# Altium PCB PCB1.PcbDoc (part 2 of 2)
Units mm, origin at the board's own origin, x right, y up, seen from the top; angles counter-clockwise.
Board outline 278.89 x 36.25 mm, 4 copper layers (SIG+GND TOP, SIG+PWR MID, GND3, SIG BOT), stack 1.589 mm thick; 63 components, 67 nets, 491 pads, 299 vias.
Unrouted connection lines stored in the file: 84.
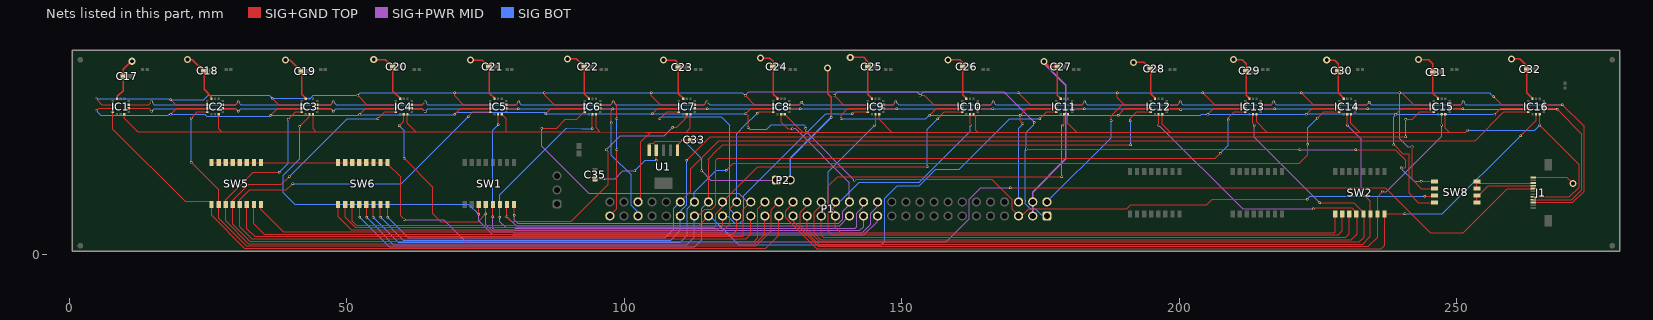
[diagram p4: the nets of this part, all layers, seen from the top]

## Via types
v1: diameter 0.45, hole 0.3, SIG+GND TOP to SIG BOT, 222 vias
v2: diameter 1.27, hole 0.711, SIG+GND TOP to SIG BOT, 71 vias
v3: diameter 3.2, hole 3.2, SIG+GND TOP to SIG BOT, 4 vias
v4: diameter 0.7, hole 0.3, SIG+GND TOP to SIG BOT, 2 vias

## Nets (pads, with @x,y where several pads share a name; then routed paths per layer and width w, separated by ;. In a path a pad name is that pad's centre, name@x,y a point inside that pad or via, vN(x,y) a via of type N, cw(c..) or ccw(c..) an arc to the next point about the centre after c; other vN are vias at no path point) (continued)
INT1_3: IC3.6 P1.25 SW1.3 | length 130.7
  SIG+GND TOP w0.155: v1(41.529,22.987) 43.277,24.735 IC3.6@43.277,25.156 ; v1(73.787,7.144) SW1.3@73.787,8.905
  SIG+PWR MID w0.155: v1(73.787,7.144) 73.787,6.018 76.234,3.571 79.713,3.571 79.845,3.439 143.175,3.439 145.573,5.838 145.573,6.772 P1.25@145.659,6.858
  SIG BOT w0.155: v1(41.529,22.987) 41.529,17.145 38.576,14.192 38.576,11.081 40.64,9.017 71.882,9.017 73.755,7.144 v1(73.787,7.144)
INT1_4: IC4.6 P1.26 SW1.4 | length 110.2
  SIG+GND TOP w0.155: v1(59.436,23.114) 60.277,23.955 IC4.6@60.277,25.156 ; v1(60.325,17.272) 65.532,12.065 65.532,7.239 66.929,5.842 73.66,5.842 v1(75.057,7.239) SW1.4@75.057,8.905
  SIG+PWR MID w0.155: v1(75.057,7.239) 75.057,5.326 76.403,3.98 79.883,3.98 80.014,3.848 142.914,3.848 144.399,5.333 144.399,7.366 145.464,8.431 145.464,9.203 P1.26@145.659,9.398
  SIG BOT w0.155: v1(59.436,23.114) 60.325,22.225 v1(60.325,17.272)
INT1_5: IC5.6 P1.27 SW1.5 | length 92.3
  SIG+GND TOP w0.155: v1(76.327,6.731) SW1.5@76.327,8.905 ; IC5.6@77.277,25.156 77.311,25.122 v1(77.311,23.302)
  SIG+PWR MID w0.155: v1(76.327,6.731) 76.327,4.635 76.573,4.389 80.052,4.389 80.184,4.257 142.433,4.257 143.119,4.943 P1.27@143.119,6.858
  SIG BOT w0.155: v1(76.327,6.731) 76.327,22.318 v1(77.311,23.302)
INT1_6: IC6.6 P1.28 SW1.6 | length 101.1
  SIG+GND TOP w0.155: v1(77.597,6.604) SW1.6@77.597,8.905 ; v1(94.234,22.608) 94.231,22.61 94.231,25.11 IC6.6@94.277,25.156
  SIG+PWR MID w0.155: v1(77.597,6.604) 77.597,5.855 78.654,4.798 80.222,4.798 80.353,4.666 141.581,4.666 141.859,4.945 141.859,7.366 142.947,8.454 142.947,9.226 P1.28@143.119,9.398
  SIG BOT w0.155: v1(77.597,6.604) 77.597,10.668 89.571,22.642 89.622,22.642 92.341,22.606 94.232,22.606 v1(94.234,22.608)
INT1_7: IC7.6 P1.29 SW1.7 | length 110.5
  SIG+GND TOP w0.155: SW1.7@78.867,8.905 78.867,8.674 v1(78.867,6.731) 79.705,5.893 90.475,5.893 97.155,12.573 97.155,18.44 v1(96.787,18.809) ; v1(108.712,22.86) 109.474,22.86 111.277,24.663 IC7.6@111.277,25.156
  SIG+PWR MID w0.155: v1(78.867,6.731) 80.523,5.075 138.796,5.075 P1.29@140.579,6.858 ; v1(96.787,18.809) 99.314,21.336 107.198,21.336 108.712,22.85 v1(108.712,22.86)
INT1_8: IC8.6 P1.30 SW1.8 | length 87.8
  SIG+GND TOP w0.155: SW1.8@80.137,8.905 80.2,8.842 v1(80.2,6.997) ; IC8.6@128.277,25.156 128.277,23.742 129.413,22.606 130.27,22.606 v1(130.302,22.574)
  SIG+PWR MID w0.155: v1(80.2,6.997) 80.2,6.16 80.772,5.588 138.684,5.588 139.399,6.303 139.399,7.7 140.288,8.589 140.288,9.107 P1.30@140.579,9.398 140.579,12.837 130.771,22.645 130.649,22.645 130.641,22.637 130.365,22.637 v1(130.302,22.574)
INT1_9: IC9.6 P1.31 SW2.1 | length 118.1
  SIG+GND TOP w0.155: P1.31@138.039,6.858 138.039,4.836 139.027,3.848 227.927,3.848 228.092,4.013 SW2.1@228.092,7.254 ; v1(145.161,23.241) 145.161,23.33 145.277,23.446 IC9.6@145.277,25.156
  SIG BOT w0.155: P1.31@138.039,6.858 137.959,6.938 137.959,7.583 136.779,8.763 136.779,14.859 v1(145.161,23.241)
INT1_10: IC10.6 P1.32 SW2.2 | length 134.7
  SIG+GND TOP w0.155: P1.32@138.039,9.398 137.959,9.318 137.959,8.643 136.727,7.411 136.727,4.147 137.434,3.439 228.61,3.439 229.362,4.191 SW2.2@229.362,7.254 ; IC10.6@162.277,25.156 162.306,25.127 v1(162.306,23.241)
  SIG BOT w0.155: P1.32@138.039,9.398 138.211,9.57 138.983,9.57 142.367,12.954 153.164,12.954 162.306,22.096 v1(162.306,23.241)
INT1_11: IC11.6 P1.33 SW2.3 | length 162.7
  SIG+GND TOP w0.155: v1(178.816,13.97) 138.43,13.97 136.779,12.319 136.779,8.763 135.579,7.563 135.579,6.938 P1.33@135.499,6.858 135.499,3.409 135.878,3.03 229.979,3.03 230.632,3.683 SW2.3@230.632,7.254 ; v1(178.911,23.085) 179.277,23.451 IC11.6@179.277,25.156
  SIG BOT w0.155: v1(178.816,13.97) 178.864,14.018 178.864,23.037 v1(178.911,23.085)
INT1_12: IC12.6 P1.34 SW2.4 | length 152.9
  SIG+GND TOP w0.155: P1.34@135.499,9.398 135.229,9.128 135.229,8.483 134.239,7.493 134.239,3.801 135.419,2.621 230.967,2.621 232.029,3.683 232.029,7.127 SW2.4@231.902,7.254 231.902,7.509 231.029,8.382 224.498,8.382 224.244,8.128 v1(224.155,8.128) ; IC12.6@196.277,25.156 196.277,23.396 196.343,23.331 v1(196.343,23.242)
  SIG+PWR MID w0.155: v1(196.343,23.242) 211.457,8.128 v1(224.155,8.128)
INT1_13: IC13.6 P1.35 SW2.5 | length 138
  SIG+GND TOP w0.155: P1.35@132.959,6.858 132.959,4.503 135.25,2.212 232.463,2.212 233.299,3.048 233.299,7.127 SW2.5@233.172,7.254 233.172,7.509 231.41,9.271 v1(225.298,9.271) ; IC13.6@213.277,25.156 213.277,23.54 213.487,23.33 v1(213.487,23.241)
  SIG+PWR MID w0.155: v1(213.487,23.241) 213.487,21.082 v1(225.298,9.271)
INT1_14: IC14.6 P1.36 SW2.6 | length 133.2
  SIG+GND TOP w0.155: P1.36@132.959,9.398 132.689,9.128 132.689,8.483 131.699,7.493 131.699,5.185 135.08,1.803 233.07,1.803 234.442,3.175 SW2.6@234.442,7.254 234.442,9.525 v1(232.791,11.176) ; v1(230.251,23.241) 230.251,25.13 IC14.6@230.277,25.156
  SIG+PWR MID w0.155: v1(230.251,23.241) 232.791,20.701 v1(232.791,11.176)
INT1_15: IC15.6 P1.37 SW2.7 | length 136.1
  SIG+GND TOP w0.155: P1.37@130.419,6.858 130.505,6.772 130.505,5.8 134.911,1.394 234.058,1.394 235.712,3.048 235.712,10.329 v1(236.576,11.193) ; v1(247.252,23.241) 247.252,25.131 IC15.6@247.277,25.156
  SIG+PWR MID w0.155: v1(236.576,11.193) 237.253,11.193 247.252,21.192 v1(247.252,23.241)
INT1_16: IC16.6 P1.38 SW2.8 | length 154.8
  SIG+GND TOP w0.155: P1.38@130.419,9.398 130.419,9.134 129.087,7.802 129.087,6.549 134.651,0.985 236.372,0.985 236.982,1.595 SW2.8@236.982,7.254 236.997,7.239 v1(240.665,7.239) ; v1(261.493,21.336) 264.277,24.12 IC16.6@264.277,25.156
  SIG BOT w0.155: v1(240.665,7.239) 247.396,7.239 v1(261.493,21.336)
INT2: IC1.7 IC2.7 IC3.7 IC4.7 IC5.7 IC6.7 IC7.7 IC8.7 IC9.7 IC10.7 IC11.7 IC12.7 IC13.7 IC14.7 IC15.7 IC16.7 J1.5 P1.60 | length 347.5
  SIG+GND TOP w0.155: IC1.7@9.927,25.156 9.927,24.49 12.366,22.051 27.432,22.051 ; IC2.7@26.927,25.156 26.927,22.603 27.432,22.098 27.432,22.051 ; IC3.7@43.927,25.156 43.927,22.574 44.45,22.051 ; IC4.7@60.927,25.156 60.927,23.552 62.428,22.051 ; IC5.7@77.927,25.156 78.74,24.343 78.74,22.051 ; IC6.7@94.927,25.156 94.927,22.735 95.61,22.051 ; P1.60@102.479,9.398 102.479,9.718 102.997,10.236 102.997,20.193 104.775,21.971 ; IC7.7@111.927,25.156 111.927,22.773 111.125,21.971 ; IC8.7@128.927,25.156 129.829,24.254 132.08,22.003 132.08,21.971 ; IC9.7@145.927,25.156 145.927,24.253 148.209,21.971 ; IC10.7@162.927,25.156 163.322,24.761 163.322,22.352 163.703,21.971 ; IC11.7@179.927,25.156 179.927,23.527 181.483,21.971 ; IC12.7@196.927,25.156 196.927,23.418 198.374,21.971 ; IC13.7@213.927,25.156 213.927,23.817 215.773,21.971 ; IC14.7@230.927,25.156 230.927,23.581 232.537,21.971 ; IC15.7@247.927,25.156 247.927,22.71 248.666,21.971 ; v1(251.968,22.352) 251.587,21.971 248.666,21.971 ; J1.5@263.767,10.299 270.268,10.299 272.034,12.065 272.034,16.129 v1(264.922,23.241) 264.922,25.151 IC16.7@264.927,25.156 ; 27.432,22.051 44.45,22.051 ; 44.45,22.051 62.428,22.051 ; 62.428,22.051 78.74,22.051 ; 78.74,22.051 95.61,22.051 ; 95.61,22.051 103.755,21.971 104.775,21.971 ; 104.775,21.971 111.125,21.971 ; 111.125,21.971 132.08,21.971 ; 132.08,21.971 148.209,21.971 ; 148.209,21.971 163.703,21.971 ; 163.703,21.971 181.483,21.971 ; 181.483,21.971 198.374,21.971 ; 198.374,21.971 215.773,21.971 ; 215.773,21.971 232.537,21.971 ; 232.537,21.971 248.666,21.971
  SIG BOT w0.155: v1(251.968,22.352) 264.033,22.352 v1(264.922,23.241)
LFCLK: IC1.9 IC2.9 IC3.9 IC4.9 IC5.9 IC6.9 IC7.9 IC8.9 IC9.9 IC10.9 IC11.9 IC12.9 IC13.9 IC14.9 IC15.9 IC16.9 J1.4 P1.59 | length 343.5
  SIG+GND TOP w0.155: IC1.9@10.702,26.256 14.312,26.256 v1(14.827,25.741) ; IC2.9@27.702,26.256 29.933,26.256 v1(30.448,25.741) ; IC3.9@44.702,26.256 47.078,26.256 v1(47.593,25.741) ; IC4.9@61.702,26.256 63.53,26.256 v1(64.103,25.683) ; IC5.9@78.702,26.256 78.796,26.162 v1(80.899,26.162) ; IC6.9@95.702,26.256 95.796,26.162 v1(97.917,26.162) 97.917,26.093 97.663,25.839 v1(97.663,23.622) ; IC7.9@112.702,26.256 112.749,26.209 114.888,26.209 v1(114.935,26.162) ; IC8.9@129.702,26.256 129.796,26.162 v1(131.699,26.162) ; IC9.9@146.702,26.256 146.749,26.209 149.051,26.209 v1(149.098,26.162) ; IC10.9@163.702,26.256 163.738,26.22 v1(166.37,26.22) ; IC11.9@180.702,26.256 180.796,26.162 v1(182.88,26.162) ; IC12.9@197.702,26.256 199.969,26.256 200.129,26.096 200.131,26.096 200.19,26.037 200.19,26.035 v1(200.279,26.035) ; IC13.9@214.702,26.256 214.749,26.209 217.123,26.209 v1(217.17,26.162) ; IC14.9@231.702,26.256 231.796,26.162 v1(233.934,26.162) ; IC15.9@248.702,26.256 250.905,26.256 250.999,26.162 v1(251.079,26.162) ; J1.4@263.767,9.799 270.681,9.799 272.514,11.632 272.514,21.621 v1(268.068,26.067) 267.988,26.067 267.799,26.256 IC16.9@265.702,26.256
  SIG BOT w0.155: v1(14.827,25.741) 15.306,26.22 29.969,26.22 v1(30.448,25.741) 30.927,26.22 47.114,26.22 v1(47.593,25.741) 48.014,26.162 63.624,26.162 v1(64.103,25.683) 64.582,26.162 v1(80.899,26.162) v1(97.917,26.162) v1(114.935,26.162) v1(149.098,26.162) 149.127,26.191 166.341,26.191 v1(166.37,26.22) 166.399,26.191 182.851,26.191 v1(182.88,26.162) 200.063,26.162 200.19,26.035 v1(200.279,26.035) 200.335,26.091 200.424,26.091 200.495,26.162 v1(217.17,26.162) v1(233.934,26.162) v1(251.079,26.162) 251.127,26.114 268.02,26.114 v1(268.068,26.067) ; v1(97.663,23.622) 97.663,17.81 101.219,14.254 101.219,8.763 102.209,7.773 102.209,7.128 P1.59@102.479,6.858
MISO: J1.8 SW5.9 SW5.10 SW5.11 SW5.12 SW5.13 SW5.14 SW5.15 SW5.16 SW6.9 SW6.10 SW6.11 SW6.12 SW6.13 SW6.14 SW6.15 SW6.16 | length 261
  SIG+GND TOP w0.155: SW5.16@25.654,16.495 SW5.15@26.924,16.495 SW5.14@28.194,16.495 SW5.13@29.464,16.495 SW5.12@30.734,16.495 SW5.11@32.004,16.495 SW5.10@33.274,16.495 SW5.9@34.544,16.495 SW6.16@48.45,16.495 SW6.15@49.721,16.495 SW6.14@50.99,16.495 SW6.13@52.261,16.495 SW6.12@53.53,16.495 SW6.11@54.8,16.495 SW6.10@56.07,16.495 SW6.9@57.34,16.495 57.34,16.24 59.69,13.89 59.69,6.858 v1(60.325,6.223) ; v1(169.545,11.938) 237.111,11.938 245.174,3.875 251.144,3.875 259.068,11.799 J1.8@263.767,11.799
  SIG+PWR MID w0.155: v1(60.325,6.223) 67.437,6.223 71.448,2.212 158.041,2.212 162.179,6.35 162.179,9.906 164.211,11.938 v1(169.545,11.938)
MISO_1: IC1.4 P1.39 SW5.1 | length 137.7
  SIG+GND TOP w0.155: IC1.4@7.852,25.606 7.877,25.581 7.877,22.476 20.874,9.479 25.335,9.479 25.654,9.16 SW5.1@25.654,8.905 25.654,6.985 31.58,1.059 125.519,1.059 127.879,3.419 P1.39@127.879,6.858
MISO_2: IC2.4 P1.40 SW5.2 | length 132
  SIG+GND TOP w0.155: v1(21.971,16.51) 26.924,11.557 SW5.2@26.924,8.905 26.924,6.477 31.933,1.468 123.804,1.468 126.495,4.159 126.495,8.015 P1.40@127.879,9.398 ; v1(21.971,24.511) 23.066,25.606 IC2.4@24.852,25.606
  SIG BOT w0.155: v1(21.971,16.51) v1(21.971,24.511)
MISO_3: IC3.4 P1.41 SW5.3 | length 131.5
  SIG+GND TOP w0.155: v1(37.846,14.732) 33.147,14.732 28.194,9.779 SW5.3@28.194,8.905 28.194,5.969 32.286,1.877 123.635,1.877 125.339,3.581 P1.41@125.339,6.858 ; v1(39.497,24.257) 40.846,25.606 IC3.4@41.852,25.606
  SIG BOT w0.155: v1(37.846,14.732) 39.497,16.383 v1(39.497,24.257)
MISO_4: IC4.4 P1.42 SW5.4 | length 143.5
  SIG+GND TOP w0.155: v1(39.624,13.97) 38.227,12.573 32.385,12.573 29.464,9.652 SW5.4@29.464,8.905 29.464,5.334 32.512,2.286 123.444,2.286 124.079,2.921 124.079,8.138 P1.42@125.339,9.398 ; v1(55.626,24.384) 56.848,25.606 IC4.4@58.852,25.606
  SIG BOT w0.155: v1(39.624,13.97) 50.062,24.408 55.602,24.408 v1(55.626,24.384)
MISO_5: IC5.4 P1.43 SW5.5 | length 153.1
  SIG+GND TOP w0.155: v1(40.259,12.7) 39.13,11.571 32.526,11.571 30.734,9.779 SW5.5@30.734,8.905 30.734,4.953 32.921,2.766 122.019,2.766 122.799,3.546 P1.43@122.799,6.858 ; v1(71.882,24.765) 72.723,25.606 IC5.4@75.852,25.606
  SIG BOT w0.155: v1(40.259,12.7) 59.817,12.7 v1(71.882,24.765)
MISO_6: IC6.4 P1.44 SW5.6 | length 155.2
  SIG+GND TOP w0.155: SW5.6@32.004,8.905 32.004,4.572 33.401,3.175 121.392,3.175 121.483,3.266 121.483,8.082 P1.44@122.799,9.398 ; v1(85.091,22.695) 87.846,22.695 89.408,24.257 91.478,24.257 92.827,25.606 IC6.4@92.852,25.606
  SIG+PWR MID w0.155: v1(85.091,22.695) 85.091,19.43 93.599,10.922 120.65,10.922 121.894,9.678 122.519,9.678 P1.44@122.799,9.398
MISO_7: IC7.4 P1.45 SW5.7 | length 128.3
  SIG+GND TOP w0.155: SW5.7@33.274,8.905 33.274,5.426 35.116,3.584 119.591,3.584 120.259,4.252 P1.45@120.259,6.858 ; v1(106.426,24.384) 107.648,25.606 IC7.4@109.852,25.606
  SIG BOT w0.155: v1(106.426,24.384) 106.807,24.765 117.477,24.765 118.999,23.243 118.999,8.118 P1.45@120.259,6.858
MISO_8: IC8.4 P1.46 SW5.8 | length 112.6
  SIG+GND TOP w0.155: SW5.8@34.544,8.905 34.544,8.037 38.588,3.993 117.658,3.993 118.999,5.334 118.999,8.138 P1.46@120.259,9.398 ; v1(123.952,25.4) 124.041,25.4 124.247,25.606 IC8.4@126.852,25.606
  SIG BOT w0.155: P1.46@120.259,9.398 120.259,21.656 121.782,23.263 ; 121.795,23.277 v1(123.952,25.4)
MISO_9: IC9.4 P1.47 SW6.1 | length 111.8
  SIG+GND TOP w0.155: SW6.1@48.45,8.905 48.45,6.759 50.808,4.402 116.853,4.402 117.719,5.268 P1.47@117.719,6.858 ; v1(141.097,25.273) 141.186,25.273 141.519,25.606 IC9.4@143.852,25.606
  SIG BOT w0.155: P1.47@117.719,6.858 117.799,6.778 118.641,6.778 119.78,5.639 119.825,5.594 119.891,5.594 120.932,5.616 121.529,6.213 121.529,10.531 136.271,25.273 v1(141.097,25.273)
MISO_10: IC10.4 P1.48 SW6.2 | length 128.6
  SIG+GND TOP w0.155: SW6.2@49.721,8.905 49.721,6.597 51.507,4.811 116.317,4.811 116.459,4.953 116.459,7.239 117.681,8.461 117.681,9.36 124.069,15.748 v1(154.559,15.748) ; v1(156.464,24.384) 157.686,25.606 IC10.4@160.852,25.606
  SIG BOT w0.155: v1(154.559,15.748) 154.559,22.479 v1(156.464,24.384)
MISO_11: IC11.4 P1.49 SW6.3 | length 147.4
  SIG+GND TOP w0.155: SW6.3@50.99,8.905 50.99,5.905 51.676,5.22 113.541,5.22 P1.49@115.179,6.858 ; v1(174.879,24.384) 176.101,25.606 IC11.4@177.852,25.606
  SIG BOT w0.155: P1.49@115.179,6.858 115.259,6.778 115.522,6.778 120.649,1.651 146.304,1.651 146.939,2.286 146.939,10.033 149.225,12.319 153.107,12.319 156.083,15.295 160.329,15.295 169.412,24.378 174.873,24.378 v1(174.879,24.384)
MISO_12: IC12.4 P1.50 SW6.4 | length 167.9
  SIG+GND TOP w0.155: SW6.4@52.261,8.905 52.324,8.841 v1(52.324,6.604) ; P1.50@115.179,9.398 115.179,16.356 ; 115.179,16.358 115.167,17.05 115.167,17.1 115.74,17.694 116.256,18.227 116.257,18.228 117.714,19.685 v1(191.262,19.685) ; v1(191.167,24.032) 191.203,24.068 191.203,24.452 192.357,25.606 IC12.4@194.852,25.606
  SIG BOT w0.155: v1(52.324,6.604) 57.643,1.285 112.664,1.285 113.999,2.62 113.999,8.218 P1.50@115.179,9.398 ; v1(191.167,24.032) 191.214,23.984 191.214,19.733 v1(191.262,19.685)
MISO_13: IC13.4 P1.51 SW6.5 | length 182.5
  SIG+GND TOP w0.155: SW6.5@53.53,8.905 53.594,8.841 v1(53.594,6.604) ; P1.51@112.639,6.858 112.908,7.127 113.553,7.127 114.464,8.038 115.734,8.038 116.459,8.763 116.459,16.928 116.803,17.272 206.511,17.272 v1(207.369,18.131) ; v1(208.82,24.159) 208.856,24.195 208.856,24.579 209.883,25.606 IC13.4@211.852,25.606
  SIG BOT w0.155: v1(53.594,6.604) 55.904,4.294 55.904,4.167 58.377,1.694 111.295,1.694 112.639,3.038 P1.51@112.639,6.858 ; v1(207.369,18.131) 208.82,19.581 v1(208.82,24.159)
MISO_14: IC14.4 P1.52 SW6.6 | length 194.7
  SIG+GND TOP w0.155: v1(54.737,6.604) 54.737,6.693 54.8,6.756 SW6.6@54.8,8.905 ; v1(118.364,15.113) 119.608,16.357 221.589,16.357 223.139,17.907 v1(223.139,19.812) ; v1(224.892,24.494) 226.004,25.606 IC14.4@228.852,25.606
  SIG BOT w0.155: v1(54.737,6.604) 59.238,2.103 110.109,2.103 111.379,3.373 111.379,7.536 111.379,8.138 P1.52@112.639,9.398 112.639,11.176 116.576,15.113 v1(118.364,15.113) ; v1(223.139,19.812) 223.139,22.741 v1(224.892,24.494)
MISO_15: IC15.4 P1.53 SW6.7 | length 211.9
  SIG+GND TOP w0.155: SW6.7@56.07,8.905 56.07,6.756 56.134,6.693 v1(56.134,6.604) ; v1(111.252,16.891) 115.475,21.114 v1(240.763,21.114) ; v1(240.792,24.257) 240.855,24.32 241.998,24.32 243.284,25.606 IC15.4@245.852,25.606
  SIG BOT w0.155: v1(56.134,6.604) 60.226,2.512 108.359,2.512 110.099,4.252 P1.53@110.099,6.858 110.252,7.011 110.252,7.916 111.255,8.919 111.255,16.888 v1(111.252,16.891) ; v1(240.763,21.114) 240.763,24.228 v1(240.792,24.257)
MISO_16: IC16.4 P1.54 SW6.8 | length 223.3
  SIG+GND TOP w0.155: SW6.8@57.34,8.905 57.404,8.841 v1(57.404,6.604) ; P1.54@110.099,9.398 112.014,11.313 112.014,15.367 117.068,20.421 253.293,20.421 258.478,25.606 IC16.4@262.852,25.606
  SIG BOT w0.155: v1(57.404,6.604) 61.087,2.921 107.371,2.921 108.932,4.483 108.932,8.231 P1.54@110.099,9.398
MOSI: J1.9 SW8.5 SW8.6 | length 12.1
  SIG+GND TOP w0.155: SW8.5@253.619,9.271 SW8.6@253.619,10.541 253.874,10.541 255.632,12.299 J1.9@263.767,12.299
MOSI_1: IC1.3 IC2.3 IC3.3 IC4.3 IC5.3 IC6.3 IC7.3 IC8.3 P1.5 SW8.3 | length 302.9
  SIG+GND TOP w0.155: v1(4.826,25.781) 4.842,25.781 5.317,26.256 IC1.3@7.852,26.256 ; v1(18.288,25.146) 19.398,26.256 IC2.3@24.852,26.256 ; v1(36.322,25.019) 37.559,26.256 IC3.3@41.852,26.256 ; v1(52.324,25.146) 53.434,26.256 IC4.3@58.852,26.256 ; v1(69.469,25.178) 70.547,26.256 IC5.3@75.852,26.256 ; v1(85.852,25.273) 86.835,26.256 IC6.3@92.852,26.256 ; v1(105.029,25.273) 106.012,26.256 IC7.3@109.852,26.256 ; v1(122.309,22.782) 122.309,24.884 v1(121.92,25.273) 122.903,26.256 IC8.3@126.852,26.256 ; v1(141.478,13.335) 141.558,13.335 141.685,13.462 166.243,13.462 169.879,9.826 169.879,8.038 P1.5@171.059,6.858 171.139,6.938 171.657,6.938 172.847,8.128 173.497,8.128 ; 173.583,8.128 190.525,8.128 191.287,8.89 204.978,8.89 205.977,9.889 v1(223.037,9.889) ; v1(244.221,10.414) 245.872,10.414 SW8.3@245.999,10.541
  SIG+PWR MID w0.155: v1(132.683,22.635) 132.713,22.605 132.713,22.1 v1(141.478,13.335)
  SIG BOT w0.155: v1(4.826,25.781) 5.641,24.966 17.87,24.966 18.05,25.146 v1(18.288,25.146) 24.455,25.146 24.762,24.839 36.087,24.839 36.267,25.019 52.108,25.019 52.235,25.146 v1(52.324,25.146) 52.38,25.09 52.558,25.09 52.562,25.085 69.296,25.085 69.389,25.178 v1(69.469,25.178) 69.818,25.527 85.598,25.527 v1(85.852,25.273) 92.31,25.273 92.342,25.241 98.649,25.241 98.681,25.273 v1(105.029,25.273) v1(121.92,25.273) ; v1(122.309,22.782) 122.36,22.782 122.631,22.511 125.682,22.511 126.511,23.34 132.362,23.34 132.627,23.075 132.627,22.691 v1(132.683,22.635) ; v1(223.037,9.889) 223.524,10.376 223.562,10.414 223.67,10.414 236.981,10.378 ; 236.985,10.378 v1(244.221,10.414)
MOSI_2: IC9.3 IC10.3 IC11.3 IC12.3 IC13.3 IC14.3 IC15.3 IC16.3 P1.6 SW8.4 | length 208.9
  SIG+GND TOP w0.155: v1(139.065,24.384) 139.065,25.019 140.302,26.256 IC9.3@143.852,26.256 ; v1(155.067,25.019) 156.304,26.256 IC10.3@160.852,26.256 ; v1(171.831,23.495) 171.323,24.003 v1(171.323,25.019) 172.56,26.256 IC11.3@177.852,26.256 ; v1(188.976,25.019) 190.213,26.256 IC12.3@194.852,26.256 ; v1(205.105,25.146) 206.215,26.256 IC13.3@211.852,26.256 ; v1(222.885,25.146) 223.995,26.256 IC14.3@228.852,26.256 ; v1(238.633,19.653) 238.689,19.653 240.233,18.108 241.356,18.108 241.427,18.037 241.427,10.931 243.087,9.271 SW8.4@245.999,9.271 ; v1(239.014,25.146) 240.124,26.256 IC15.3@245.852,26.256 ; v1(256.794,25.146) 257.904,26.256 IC16.3@262.852,26.256
  SIG BOT w0.155: v1(139.065,24.384) 154.343,24.384 154.978,25.019 v1(155.067,25.019) v1(171.323,25.019) v1(188.976,25.019) 203.835,25.019 203.962,25.146 v1(205.105,25.146) 205.137,25.178 222.853,25.178 v1(222.885,25.146) 222.961,25.146 223.12,25.305 238.779,25.305 238.938,25.146 v1(239.014,25.146) ; P1.6@171.059,9.398 171.059,22.634 171.831,23.406 v1(171.831,23.495) ; v1(238.633,19.653) 238.633,24.765 v1(239.014,25.146) ; v1(256.794,25.146) v1(239.014,25.146)
MUTCLK: IC1.10 IC2.10 IC3.10 IC4.10 IC5.10 IC6.10 IC7.10 IC8.10 IC9.10 IC10.10 IC11.10 IC12.10 IC13.10 IC14.10 IC15.10 IC16.10 J1.3 P1.63 | length 353
  SIG+GND TOP w0.155: IC1.10@10.702,26.906 10.72,26.924 14.348,26.924 v1(14.827,27.403) ; IC2.10@27.702,26.906 27.72,26.924 29.969,26.924 v1(30.448,27.403) ; IC3.10@44.702,26.906 44.72,26.924 47.114,26.924 v1(47.593,27.403) ; IC4.10@61.702,26.906 61.72,26.924 63.624,26.924 v1(64.103,27.403) ; IC5.10@78.702,26.906 78.72,26.924 80.515,26.924 v1(80.994,27.403) ; IC6.10@95.702,26.906 95.72,26.924 97.533,26.924 v1(98.012,27.403) 98.073,27.403 98.679,26.797 v1(98.679,24.384) ; P1.63@97.399,6.858 98.679,8.138 v1(98.679,18.796) ; IC7.10@112.702,26.906 112.72,26.924 114.424,26.924 v1(114.903,27.403) ; IC8.10@129.702,26.906 129.72,26.924 131.564,26.924 v1(131.97,27.33) ; IC9.10@146.702,26.906 146.72,26.924 148.46,26.924 v1(148.939,27.403) ; IC10.10@163.702,26.906 163.72,26.924 165.986,26.924 v1(166.465,27.403) ; IC11.10@180.702,26.906 180.72,26.924 182.496,26.924 v1(182.975,27.403) ; IC12.10@197.702,26.906 197.72,26.924 199.705,26.924 v1(200.184,27.403) ; IC13.10@214.702,26.906 214.72,26.924 216.532,26.924 v1(217.011,27.403) ; IC14.10@231.702,26.906 231.72,26.924 233.799,26.924 v1(234.205,27.33) ; IC15.10@248.702,26.906 248.72,26.924 250.695,26.924 v1(251.174,27.403) ; J1.3@263.767,9.299 270.919,9.299 272.923,11.303 272.923,22.987 v1(268.986,26.924) 265.866,26.924 IC16.10@265.702,26.906
  SIG BOT w0.155: v1(14.827,27.403) 15.306,26.924 29.969,26.924 v1(30.448,27.403) 30.927,26.924 47.114,26.924 v1(47.593,27.403) 48.072,26.924 63.624,26.924 v1(64.103,27.403) 64.582,26.924 80.515,26.924 v1(80.994,27.403) 81.473,26.924 97.533,26.924 v1(98.012,27.403) 98.491,26.924 114.424,26.924 v1(114.903,27.403) 115.382,26.924 131.564,26.924 v1(131.97,27.33) 132.376,26.924 148.46,26.924 v1(148.939,27.403) 149.418,26.924 165.986,26.924 v1(166.465,27.403) 166.944,26.924 182.496,26.924 v1(182.975,27.403) 183.454,26.924 199.705,26.924 v1(200.184,27.403) 200.663,26.924 216.532,26.924 v1(217.011,27.403) 217.49,26.924 233.799,26.924 v1(234.205,27.33) 234.611,26.924 250.695,26.924 v1(251.174,27.403) 251.653,26.924 v1(268.986,26.924) ; v1(98.679,18.796) v1(98.679,24.384)
NetC33_1: C33.1 P2.1 U1.1 U1.5 | length 32
  SIG+GND TOP w0.155: U1.5@104.521,18.723 104.521,19.998 105.277,19.998 105.599,20.32 110.267,20.32 ; U1.1@109.601,18.723 109.601,19.654 110.267,20.32 ; C33.1@111.972,20.574 v1(110.521,20.574) 110.267,20.32
  SIG+PWR MID w0.155: v1(113.919,14.986) 115.57,13.335 P2.1@127.381,13.335
  SIG BOT w0.155: v1(110.521,20.574) 113.919,17.176 v1(113.919,14.986)
NetC35_1: C35.1 U1.4 | length 14.2
  SIG+GND TOP w0.155: C35.1@94.742,13.589 v1(96.266,13.589) ; v1(105.791,16.891) U1.4@105.791,18.723
  SIG+PWR MID w0.155: v1(96.266,13.589) 98.362,13.589 99.759,14.986 v1(101.854,14.986)
  SIG BOT w0.155: v1(101.854,14.986) 103.759,16.891 v1(105.791,16.891)
SCLK: J1.10 SW8.7 SW8.8 | length 11.5
  SIG+GND TOP w0.155: SW8.7@253.619,11.811 SW8.8@253.619,13.081 253.901,12.799 J1.10@263.767,12.799
SCLK1: IC1.2 IC2.2 IC3.2 IC4.2 IC5.2 IC6.2 IC7.2 IC8.2 P1.1 SW8.1 | length 323.6
  SIG+GND TOP w0.155: v1(4.826,27.94) 5.86,26.906 IC1.2@7.852,26.906 ; v1(18.288,27.813) 19.195,26.906 IC2.2@24.852,26.906 ; v1(36.576,28.067) 37.737,26.906 IC3.2@41.852,26.906 ; v1(51.943,28.575) 53.612,26.906 IC4.2@58.852,26.906 ; v1(69.437,29.054) 69.437,28.48 71.011,26.906 IC5.2@75.852,26.906 ; v1(85.63,29.054) 85.654,29.03 85.654,28.646 87.394,26.906 IC6.2@92.852,26.906 ; v1(104.87,29.054) 104.87,28.48 106.444,26.906 IC7.2@109.852,26.906 ; v1(121.793,28.575) 123.462,26.906 IC8.2@126.852,26.906 ; v1(172.466,18.923) 221.526,18.923 221.653,18.796 v1(221.742,18.796) ; v1(231.775,18.796) 238.887,18.796 240.792,16.891 240.792,15.621 240.69,15.519 v1(240.013,15.519) ; v1(243.59,13.085) 245.995,13.085 SW8.1@245.999,13.081
  SIG+PWR MID w0.155: v1(121.793,28.575) 122.428,29.21 168.402,29.21 v1(173.863,23.749) ; v1(172.466,18.923) v1@172.468,18.921 ; P1.1@175.956,7.353 175.971,7.344 176.021,7.294 176.028,7.27 P1.1@176.139,6.858 P1.1@176.13,6.867 ; v1(221.742,18.796) v1(231.775,18.796)
  SIG BOT w0.155: v1(4.826,27.94) 4.845,27.959 18.062,27.959 18.208,27.813 24.201,27.813 25.016,28.628 36.015,28.628 v1(36.576,28.067) 43.497,28.067 44.005,28.575 v1(51.943,28.575) 52.422,29.054 v1(69.437,29.054) v1(85.63,29.054) v1(104.87,29.054) 104.899,29.083 121.285,29.083 v1(121.793,28.575) ; v1(173.863,23.749) 173.807,23.693 173.807,23.324 173.697,23.214 173.697,23.202 172.466,21.971 v1(172.466,18.923) 172.212,18.669 172.212,9.674 172.212,9.546 172.215,9.428 cw(c171.059,9.398) 172.212,9.308 172.212,9.023 173.107,8.128 174.117,8.128 174.248,7.997 175.172,7.073 175.924,7.073 P1.1@176.139,6.858 ; v1(240.013,15.519) 240.013,15.439 240.114,15.338 240.114,15.283 242.316,13.081 243.586,13.081 v1(243.59,13.085)
SCLK2: IC9.2 IC10.2 IC11.2 IC12.2 IC13.2 IC14.2 IC15.2 IC16.2 P1.2 SW8.2 | length 225.6
  SIG+GND TOP w0.155: v1(137.795,28.575) 139.464,26.906 IC9.2@143.852,26.906 ; v1(153.289,28.575) 154.051,28.575 155.72,26.906 IC10.2@160.852,26.906 ; v1(170.942,29.083) 173.119,26.906 IC11.2@177.852,26.906 ; v1(187.706,24.003) 187.706,24.892 189.91,27.096 ; v1(188.849,29.083) 188.849,28.156 189.91,27.096 ; IC12.2@194.852,26.906 190.099,26.906 189.91,27.096 ; v1(204.216,29.083) 206.393,26.906 IC13.2@211.852,26.906 ; v1(221.996,29.083) 224.173,26.906 IC14.2@228.852,26.906 ; v1(239.678,29.058) 239.709,29.027 240.086,29.027 242.207,26.906 IC15.2@245.852,26.906 ; v1(241.935,19.304) 241.935,13.462 243.586,11.811 SW8.2@245.999,11.811 ; v1(256.667,28.321) 258.082,26.906 IC16.2@262.852,26.906
  SIG+PWR MID w0.155: v1(239.678,29.058) 239.678,20.799 241.173,19.304 v1(241.935,19.304)
  SIG BOT w0.155: v1(137.795,28.575) 138.43,29.21 152.654,29.21 v1(153.289,28.575) 153.924,29.21 162.325,29.21 162.452,29.083 v1(170.942,29.083) v1(188.849,29.083) v1(204.216,29.083) v1(221.996,29.083) 222.008,29.071 239.666,29.071 v1(239.678,29.058) 239.703,29.083 255.895,29.083 256.022,28.956 256.058,28.921 v1(256.667,28.321) ; P1.2@176.139,9.398 187.706,20.965 v1(187.706,24.003)
VDDIO: C17.2 C18.2 C19.2 C20.2 C21.2 C22.2 C23.2 C24.2 C25.2 C26.2 C27.2 C28.2 C29.2 C30.2 C31.2 C32.2 IC1.14 IC2.14 IC3.14 IC4.14 IC5.14 IC6.14 IC7.14 IC8.14 IC9.14 IC10.14 IC11.14 IC12.14 IC13.14 IC14.14 IC15.14 IC16.14 J1.12 P1.3 P1.4 P2.2 | length 213.8
  SIG+GND TOP w0.155: J1.12@263.767,13.799 269.792,13.799 v2@270.873,12.718
  SIG+GND TOP w0.254: IC1.14@8.696,28.091 8.696,28.389 9.737,29.43 9.737,33.275 11.2,34.737 v2(11.341,34.737) ; v2(21.336,35.052) 22.195,35.052 24.227,33.02 C18.2@24.3,33.02 24.3,29.675 25.627,28.348 IC2.14@25.627,28.006 ; v2(38.989,34.925) 39.033,34.881 39.807,34.881 41.795,32.893 C19.2@41.868,32.893 41.868,28.79 42.627,28.031 IC3.14@42.627,28.006 ; v2(54.864,35.052) 56.951,35.052 58.221,33.782 C20.2@58.294,33.782 58.294,29.364 59.627,28.031 IC4.14@59.627,28.006 ; v2(72.263,34.925) 74.392,34.925 75.535,33.782 C21.2@75.608,33.782 75.681,33.709 75.681,28.977 76.627,28.031 IC5.14@76.627,28.006 ; v2(89.789,35.179) 91.325,35.179 92.722,33.782 C22.2@92.795,33.782 92.795,28.863 93.627,28.031 IC6.14@93.627,28.006 ; v2(107.061,34.925) 109.22,34.925 109.771,34.374 C23.2@109.771,33.655 109.771,28.887 110.627,28.031 IC7.14@110.627,28.006 ; v2(124.587,35.306) 126.252,35.306 126.831,34.727 C24.2@126.831,33.782 126.831,28.827 127.627,28.031 IC8.14@127.627,28.006 ; v2(136.652,33.528) 136.652,28.861 137.287,28.226 v1(137.287,24.638) ; v2(140.716,35.433) 143.129,35.433 143.891,34.671 C25.2@143.891,33.782 143.891,28.767 144.627,28.031 IC9.14@144.627,28.006 ; v2(158.331,34.976) 160.477,34.976 160.994,34.459 C26.2@160.994,33.782 160.994,28.664 161.627,28.031 IC10.14@161.627,28.006 ; v2(175.641,34.671) 176.53,33.782 C27.2@178.012,33.782 178.012,28.646 178.627,28.031 IC11.14@178.627,28.006 ; v2(191.77,34.544) 193.56,34.544 194.703,33.401 C28.2@194.776,33.401 194.818,33.359 194.818,28.84 195.627,28.031 IC12.14@195.627,28.006 ; v2(209.804,35.052) 211.328,35.052 212.048,34.332 C29.2@212.048,33.02 212.048,28.61 212.627,28.031 IC13.14@212.627,28.006 ; v2(226.568,34.925) 227.965,34.925 228.6,34.29 C30.2@228.6,33.02 228.6,29.058 229.627,28.031 IC14.14@229.627,28.006 ; v2(243.078,35.052) 244.983,35.052 245.703,34.332 C31.2@245.703,32.766 245.703,28.955 246.627,28.031 IC15.14@246.627,28.006 ; v2(259.842,35.179) 261.366,35.179 262.594,33.951 C32.2@262.594,33.274 262.594,29.064 263.627,28.031 IC16.14@263.627,28.006 ; v2@270.873,12.718 v2(270.962,12.718)
  SIG+PWR MID w0.254: P1.3@173.599,6.858 P1.4@173.599,9.398 173.599,11.166 179.578,17.145 179.578,30.438 175.957,34.059 175.957,34.08 175.641,34.396 v2(175.641,34.671)
  SIG BOT w0.254: P2.2@129.921,13.335 129.921,17.272 v1(137.287,24.638)

## Polygon pours and split planes (outlines as drawn)
GND on SIG+GND TOP "GND_L01_P000" (solid, pour order 0): 0.508,36.759 279.395,36.759 279.395,0.635 0.511,0.635
AVDD/VDD on SIG+PWR MID "AVDD/VDD_L02_P018" (solid, pour order 18): 272.514,31.627 272.514,10.503 3.492,10.503 3.492,31.627
1V8EXTERNAL on SIG+PWR MID "1V8EXTERNAL_L02_P015" (solid, pour order 15): 85.747,5.397 85.953,10.261 108.458,10.261 108.458,8.509 108.458,5.78
VDDIO on SIG+PWR MID "VDDIO_L02_P012" (solid, pour order 12): 269.918,11.68 269.847,13.985 275.402,13.808 275.402,11.648
VDDIO on SIG+PWR MID "VDDIO_L02_P008" (solid, pour order 8): 272.669,6.286 273.685,34.353 277.564,34.353 277.564,22.415 277.564,6.286
AVDD/VDD on SIG+PWR MID "AVDD/VDD_L02_P014" (solid, pour order 14): 262.89,7.112 259.08,6.985 259.334,30.734 262.509,30.734
AVDD/VDD on SIG+PWR MID "AVDD/VDD_L02_P007" (solid, pour order 7): 257.302,6.985 257.302,9.144 264.795,9.144 264.795,6.985
VDDIO on SIG+PWR MID "VDDIO_L02_P001" (solid, pour order 1): 3.302,36.326 3.302,32.004 278.638,32.004 278.638,36.326
GND on GND3 (split plane): 278.884,1.018 1.018,1.018 1.018,36.248 278.884,36.248

## Silkscreen, mask and mechanical layers (free items; w line width, h text height)
Top Overlay:
  region: 365 vertices and 3 holes, not listed, extent 1.645,10.535 8.731,21.393
  text "INT1/1-8 Switch" at 75.311,17.918 h1
  text "MISO/1-8 Switch" at 29.591,17.791 h1
  text "MISO/9-16 Switch" at 51.816,17.791 h1
  text "DevKit Connector" at 264.287,17.664 h1
  text "INT1/9-16 Switch" at 231.521,16.902 h1
  text "CSB/9-16 Switch" at 213.233,16.648 h1
  text "CSB/1-8 Switch" at 194.945,16.521 h1
  text "SCLK/MOSI Switch" at 249.301,15.124 h1
  text "Pin 1" at 260.858,14.859 h1
  text "SCLK1" at 242.189,13.97 h1
  text "SCLK" at 254.762,13.462 h1
  text "MISO-1" at 21.014,9.827 h1
  text "MISO-8" at 36.449,9.79 h1
  text "INT1-8" at 82.296,9.663 h1
  text "MISO-9" at 43.561,9.536 h1
  text "MISO-16" at 59.436,9.536 h1
  text "INT1-1" at 66.802,9.525 h1
  text "SCLK2" at 178.181,9.028 h1
  text "64" at 94.488,8.774 h1
  text "MOSI2" at 242.189,8.128 h1
  text "MOSI" at 254.889,8.001 h1
  text "SCLK1" at 178.181,6.615 h1
  text "Pin 12" at 260.477,6.604 h1
  text "CSB1" at 186.817,6.488 h1
  text "CSB8" at 201.93,6.488 h1
  text "CSB9" at 205.359,6.488 h1
  text "CSB16" at 220.345,6.488 h1
  text "INT1-9" at 223.774,6.488 h1
  text "MUTCLK" at 91.694,6.234 h1
  text "INT1-16" at 238.887,5.98 h1
  text "Arbabian Lab, PMUT Array / A. Suen, W. Meng, M. Zeng, M. Yates / Stanford University, Fall 2024, Rev A." at 1.778,4.699 h1.42
Mechanical 1:
  lines w0.155: 279.398,36.759 279.392,0.38 0.382,0.452 0.376,36.753 279.398,36.831